# KiCad board OpenWaterHub.kicad_pcb (continued)
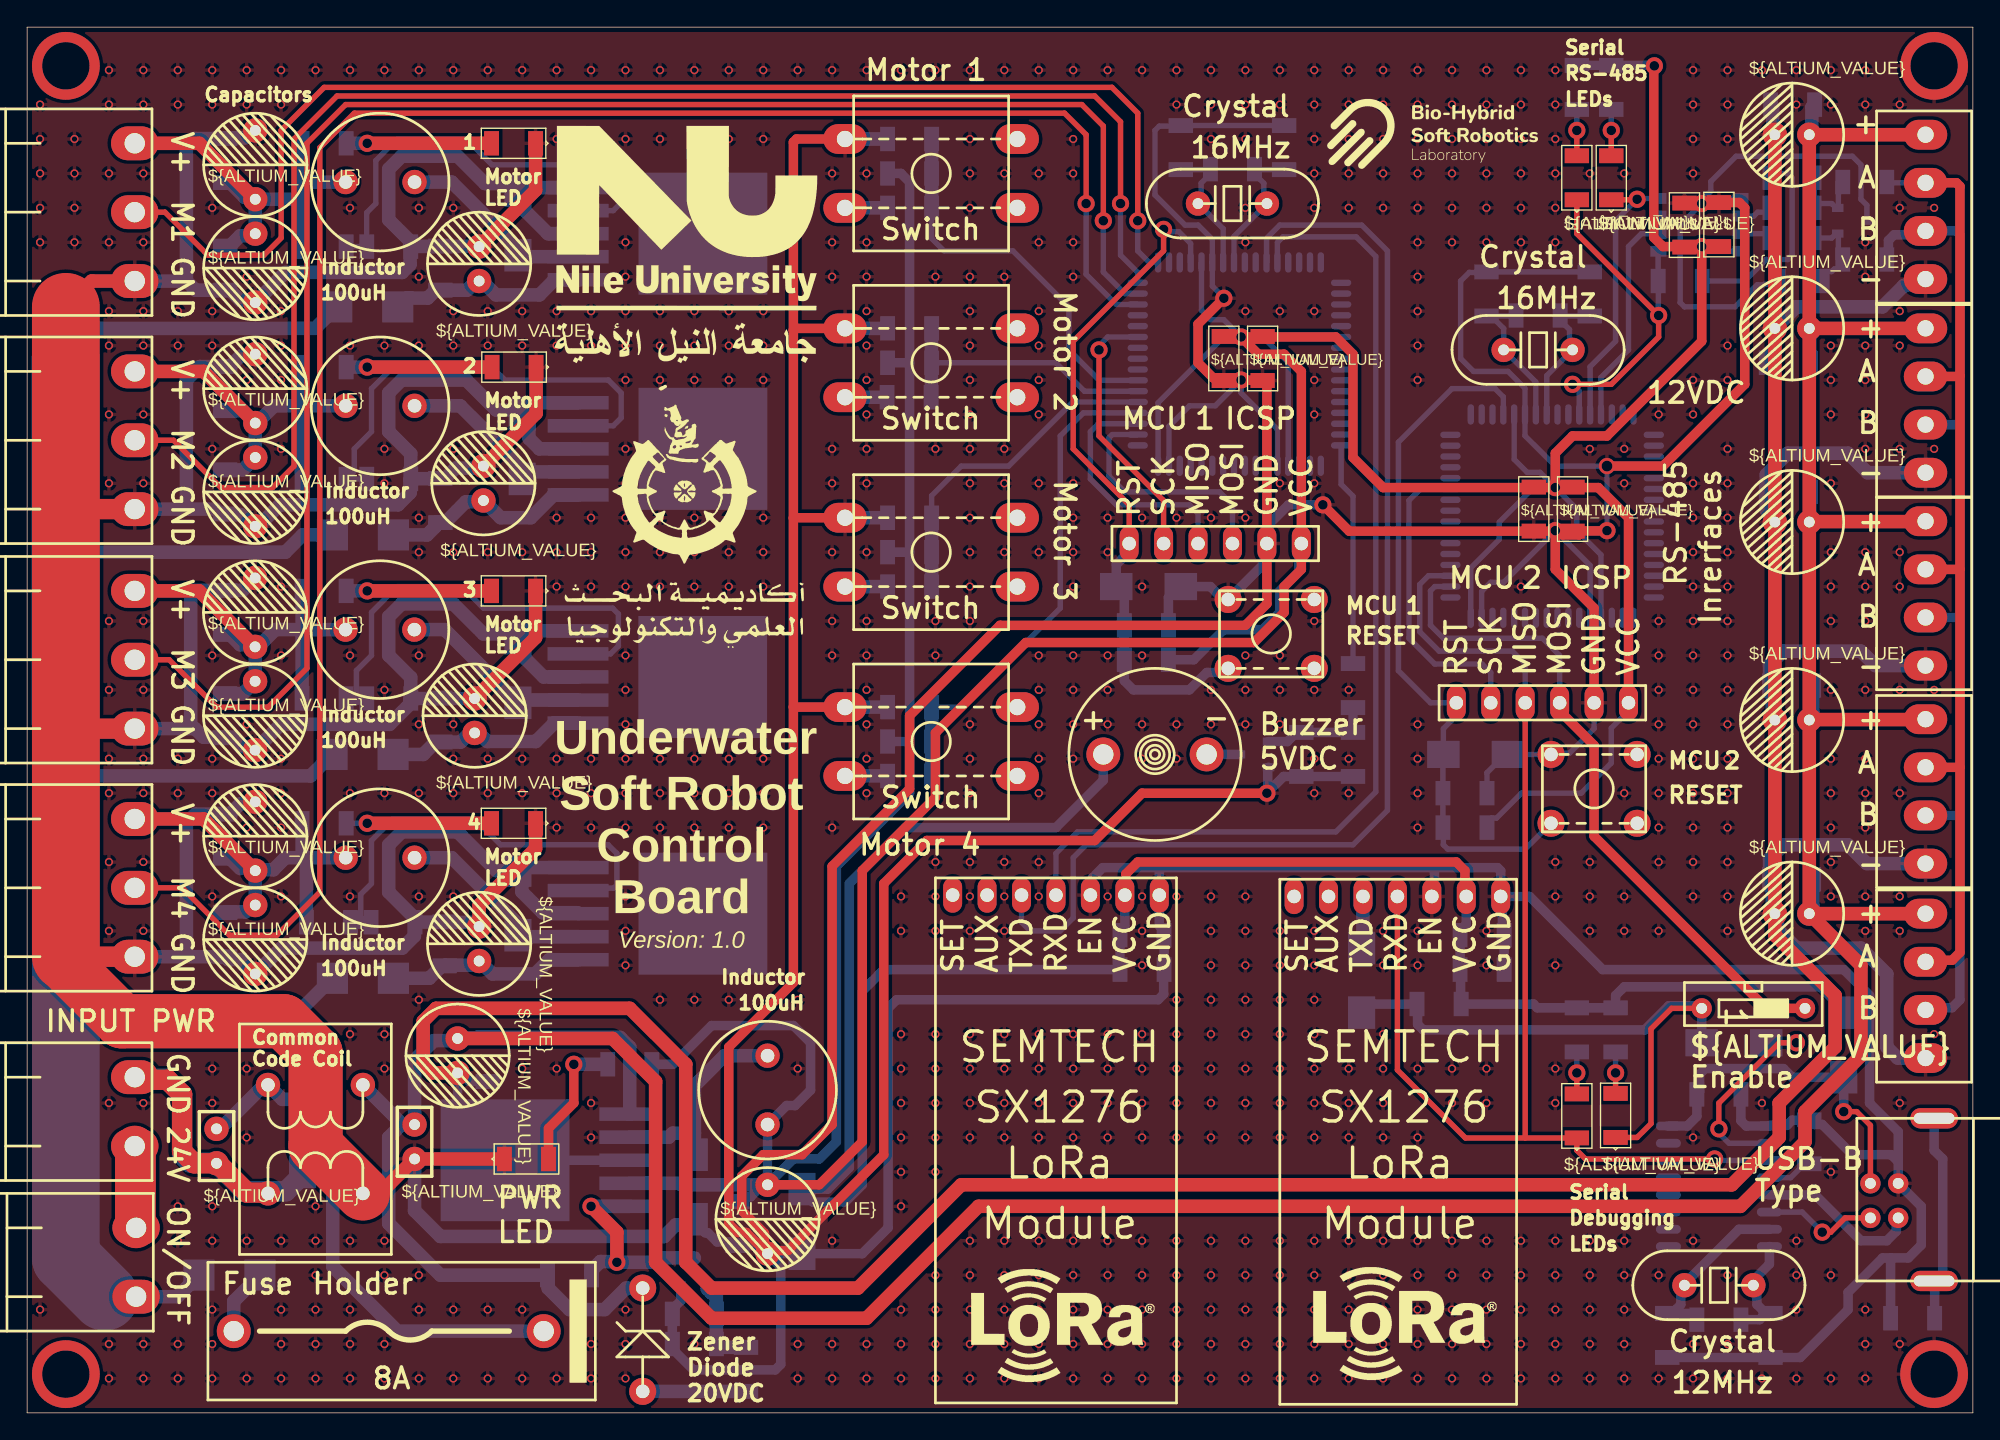
[diagram p0: board, top side]
## Routing (per net, layer and track width the routed paths; a pad name or vN(x,y) marks a point on that pad's centre or on a via; arc(x,y) is an arc through that point) (continued)
RESET': length 52.8
  Bottom Layer w0.4: M1.20 108.88,74.95 108.27,75.57 105.09,75.57 101.14,71.61 101.14,54.75 103.51,52.39 H1.6 105.41,51.52 105.07,51.17 105.07,51.09 104.46,50.48 D20.2 104.42,48.54 C45.2 R33.2 104.45,43.15 104.45,41.91 104.77,41.59 110.49,41.59 SW6.2
USB_D_N: length 8.5
  Top Layer w0.4: J12.2 134.08,14.38 133.03,13.34 v4(132.4,13.34)
  Bottom Layer w0.4: M3.6 130.92,14.81 v4(132.4,13.34)
USB_D_P: length 12.1
  Bottom Layer w0.7: J12.3 137.87,14.25 137.87,13.41 137.16,12.7 135.25,12.7 131.87,16.08 M3.5
VBB: length 160.6
  Bottom Layer w1: 2.83,63.5 19.05,63.5 20.32,64.77 D17.1 ; 2.86,46.99 20.9,46.99 D14.1 ; 2.86,29.85 20.29,29.85 D2.1 ; D5.1 11.09,8.57 J2.1 5.72,8.57 ; D22.1 21.25,80.01 5.08,80.01 2.83,77.76
  Bottom Layer w5: 2.83,77.76 2.83,50.95 ; 5.72,8.57 2.86,11.43 2.86,50.93
VU: length 26.2
  Top Layer w0.4: v4(133.99,22.23) 134.94,22.23 135.95,21.21 J12.1
  Bottom Layer w0.7: v4(133.99,22.23) D27.1 130.18,24.77 129.54,25.4 123.76,25.4 123.35,24.99 123.35,23.7 C63.2 ; M3.16 122.45,21.16 123.15,21.87 123.15,23.84

## Copper pours and planes (outline as drawn; the poured copper is in the pictures)
GND on Top Layer: 51.12,15.24 59.05,15.24 59.05,10.8 51.12,10.8
GND on Top Layer: 143.19,102.08 0,102.08 0,0.32 143.19,0.32
GND on Bottom Layer: 86.99,77.15 92.39,77.15 92.39,74.61 86.99,74.61
GND on Bottom Layer: 0.32,101.92 143.19,101.92 143.19,0.32 0.32,0.32
GND on Bottom Layer: 55.24,114.62 197.49,114.62 197.49,13.65 55.24,13.65
GND on Bottom Layer: 51.43,13.97 59.05,13.97 59.05,6.67 51.43,6.67
VCC on Bottom Layer: 51.12,23.81 62.23,23.81 62.23,14.92 51.12,14.92

## Text on the board
Bottom Overlay: This board is based upon | work supported by (ASRT) | under the project named | "Mimicking Biodiversity of | Coral Reefs Using Soft | Robots Based Bioimpedance | Sensing". | LM2576-5V | LM2576-ADJ | IC | CH340G | ATmega128A | MAX487 | SS24
Top Overlay: Common | Code | Coil | Inductor | 100uH | 1 | 2 | 3 | 4 | Motor | LED | Serial | RS-485 | LEDs | Debugging | Capacitors | Zener | Diode | 20VDC | MCU | RESET | SET | AUX | TXD | RXD | EN | VCC | GND | 24V | V+ | M1 | M2 | M3 | M4 | ON/OFF | INPUT PWR | Fuse | Holder | 8A | PWR | Switch | - | 5VDC | Crystal | 12VDC | Enable | USB-B | Type | A | B | + | RST | SCK | MISO | MOSI | Inrerfaces | Motor 3 | LoRa | SEMTECH | SX1276 | Module | Version: 1.0 | Soft Robot | Control | Board | Underwater
